# Altium PCB I2C_Jog_Controller.pcbdoc (part 8 of 9)
Units mil, origin at the board's own origin, x right, y up, seen from the top; angles counter-clockwise.
Board outline 3937.01 x 3937.01 mil, 2 copper layers (Top Layer, Bottom Layer), stack 65.398 mil thick; 211 components, 144 nets, 5702 pads, 342 vias.
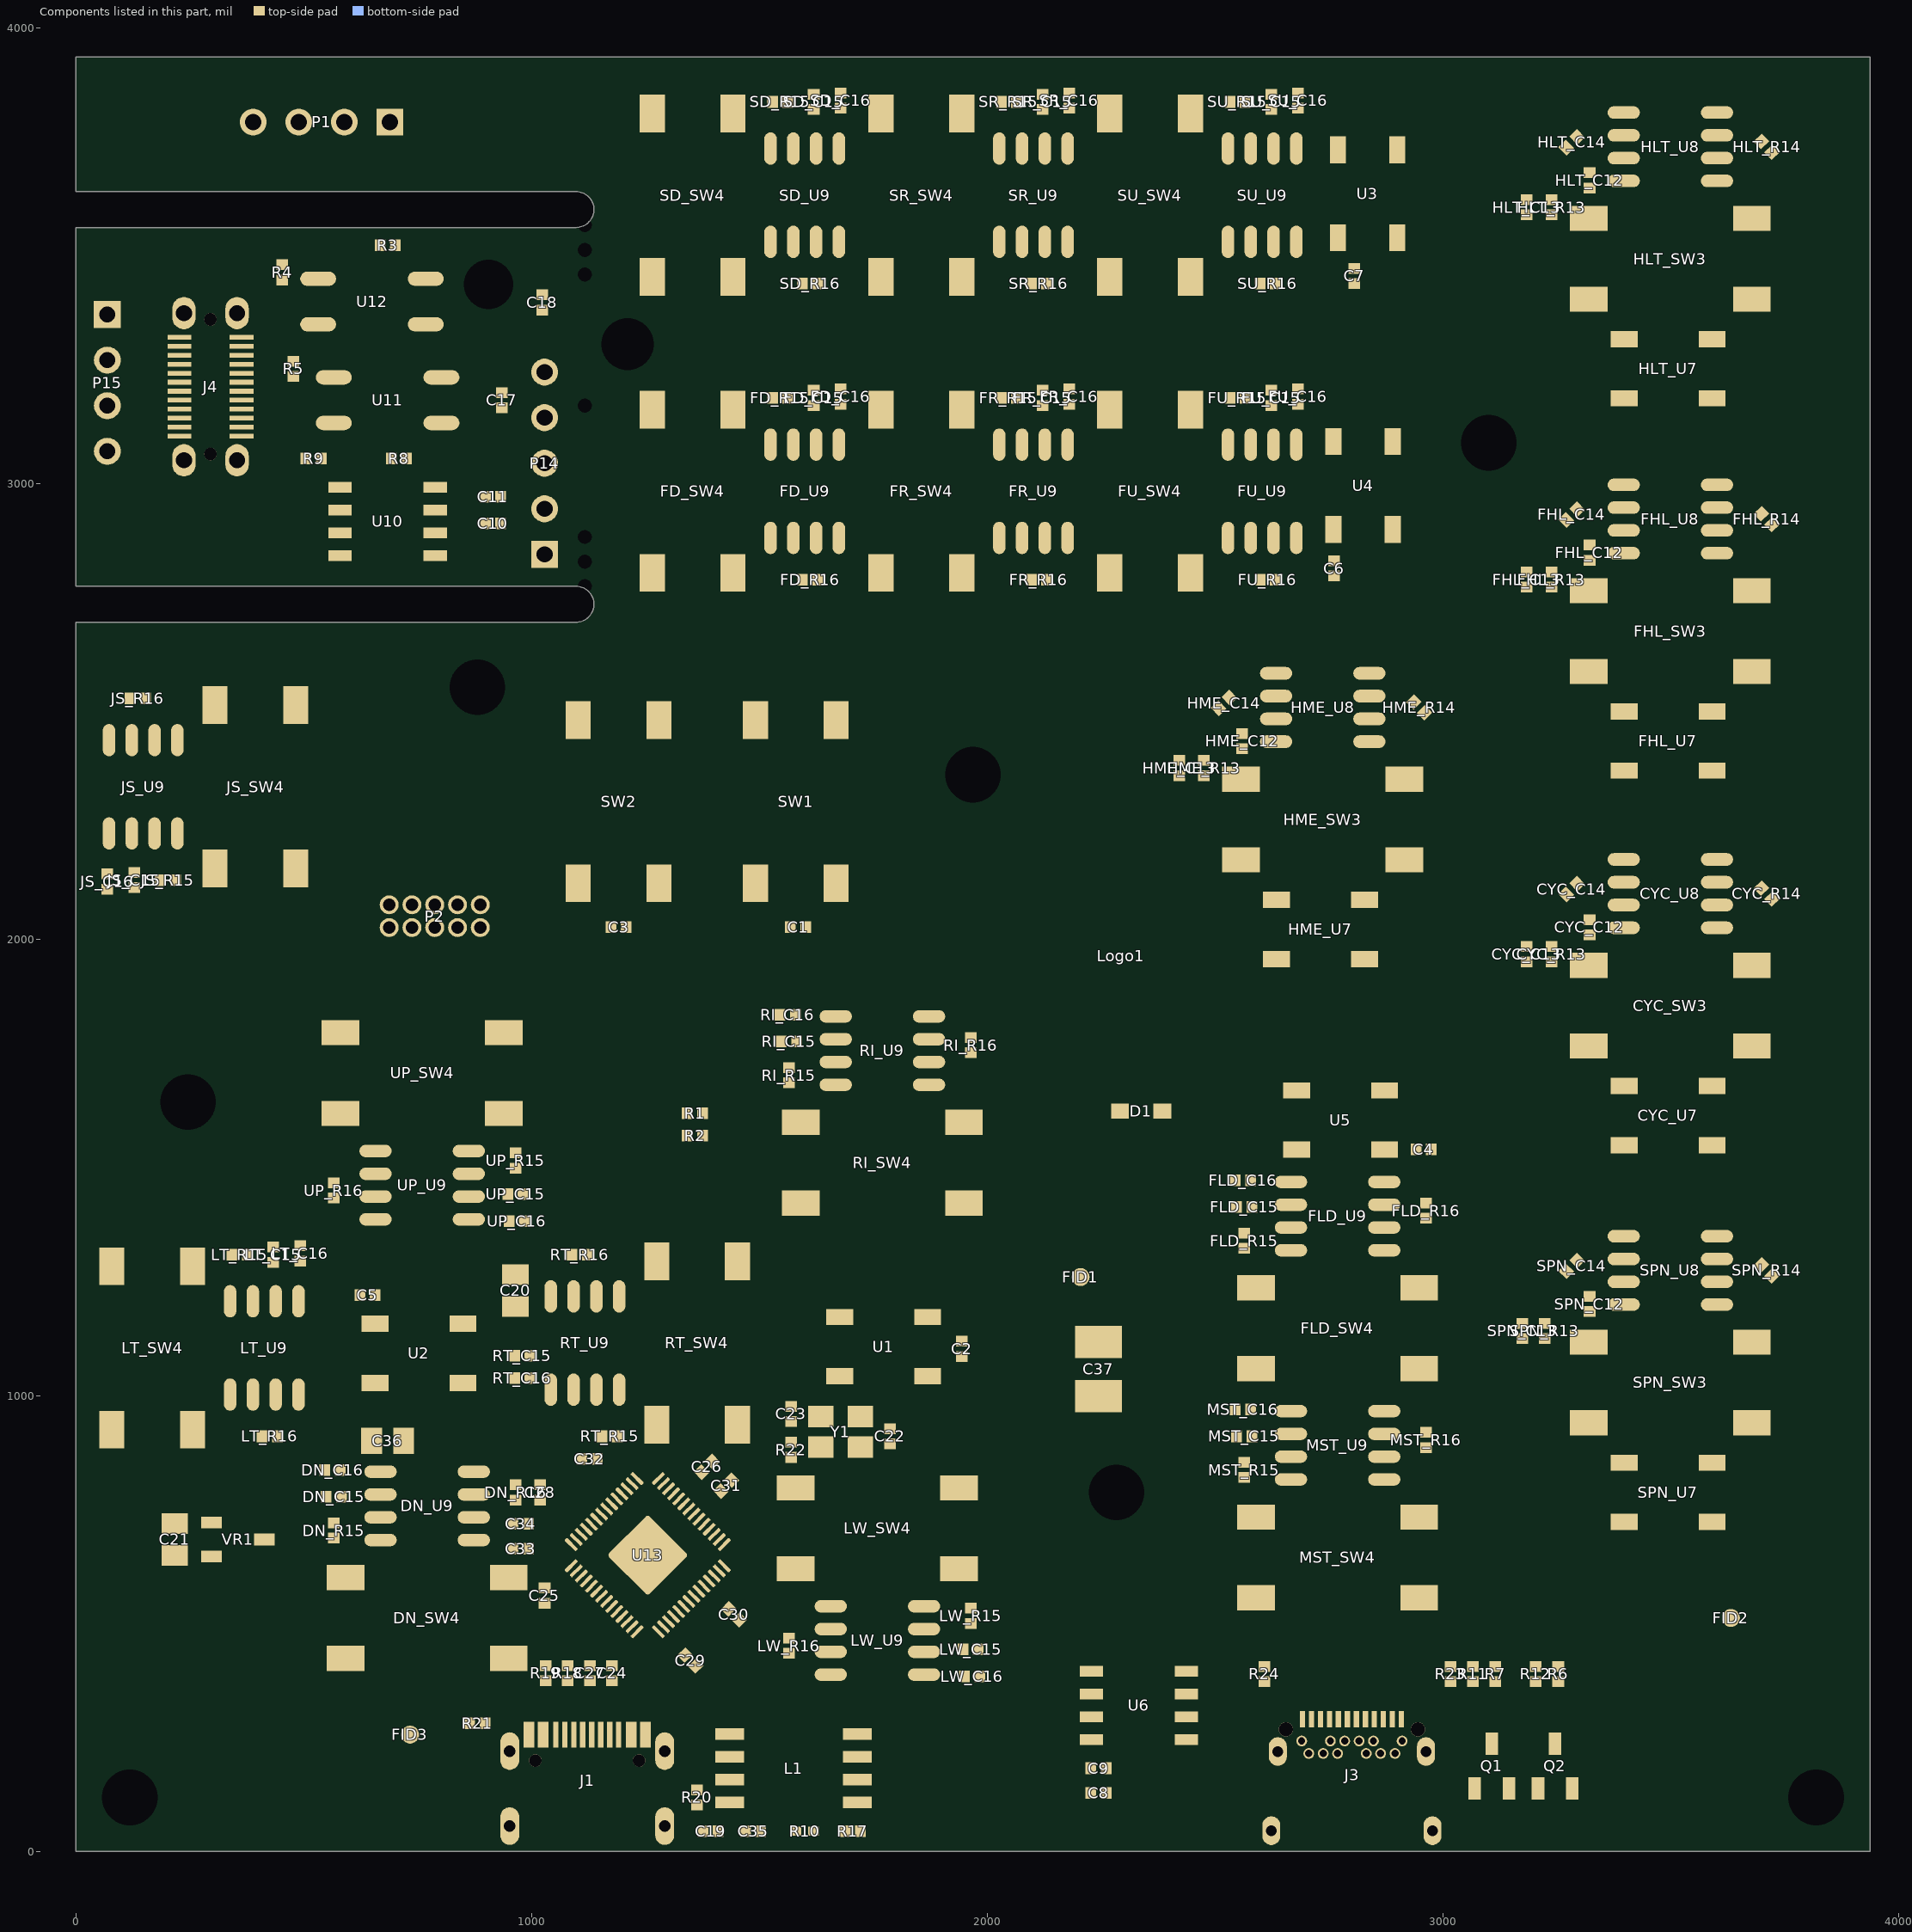
[diagram p8: the components of this part, seen from the top]

## Via types
v1: diameter 33.46, hole 19.68, Top Layer to Bottom Layer, tented both sides, 196 vias
v2: diameter 22, hole 10, Top Layer to Bottom Layer, tented both sides, 146 vias

## Nets (pads, with @x,y where several pads share a name; then routed paths per layer and width w, separated by ;. In a path a pad name is that pad's centre, name@x,y a point inside that pad or via, vN(x,y) a via of type N, cw(c..) or ccw(c..) an arc to the next point about the centre after c; other vN are vias at no path point) (continued)
pads on no net: FID1.1 FID2.1 FID3.1 J1. J1.A8 J1.B8 J3. J3.A5 J3.B5 J4. J4.A5 J4.B5 Logo1.1 Logo1.1_1 Logo1.1_2 Logo1.1_3 Logo1.1_4 Logo1.1_5 Logo1.1_6 Logo1.1_7 Logo1.1_8 Logo1.1_9 Logo1.1_10 Logo1.1_11 Logo1.1_12 Logo1.1_13 Logo1.1_14 Logo1.1_15 Logo1.1_16 Logo1.1_17 Logo1.1_18 Logo1.1_19 Logo1.1_20 Logo1.1_21 Logo1.1_22 Logo1.1_23 Logo1.1_24 Logo1.1_25 Logo1.1_26 Logo1.1_27 Logo1.1_28 Logo1.1_29 Logo1.1_30 Logo1.1_31 Logo1.1_32 Logo1.1_33 Logo1.1_34 Logo1.1_35 Logo1.1_36 Logo1.1_37 Logo1.1_38 Logo1.1_39 Logo1.1_40 Logo1.1_41 Logo1.1_42 Logo1.1_43 Logo1.1_44 Logo1.1_45 Logo1.1_46 Logo1.1_47 Logo1.1_48 Logo1.1_49 Logo1.1_50 Logo1.1_51 Logo1.1_52 Logo1.1_53 Logo1.1_54 Logo1.1_55 Logo1.1_56 Logo1.1_57 Logo1.1_58 Logo1.1_59 Logo1.1_60 Logo1.1_61 Logo1.1_62 Logo1.1_63 Logo1.1_64 Logo1.1_65 Logo1.1_66 Logo1.1_67 Logo1.1_68 Logo1.1_69 Logo1.1_70 Logo1.1_71 Logo1.1_72 Logo1.1_73 Logo1.1_74 Logo1.1_75 Logo1.1_76 Logo1.1_77 Logo1.1_78 Logo1.1_79 Logo1.1_80 Logo1.1_81 Logo1.1_82 Logo1.1_83 Logo1.1_84 Logo1.1_85 Logo1.1_86 Logo1.1_87 Logo1.1_88 Logo1.1_89 Logo1.1_90 Logo1.1_91 Logo1.1_92 Logo1.1_93 Logo1.1_94 Logo1.1_95 Logo1.1_96 Logo1.1_97 Logo1.1_98 Logo1.1_99 Logo1.1_100 Logo1.1_101 Logo1.1_102 Logo1.1_103 Logo1.1_104 Logo1.1_105 Logo1.1_106 Logo1.1_107 Logo1.1_108 Logo1.1_109 Logo1.1_110 Logo1.1_111 Logo1.1_112 Logo1.1_113 Logo1.1_114 Logo1.1_115 Logo1.1_116 Logo1.1_117 Logo1.1_118 Logo1.1_119 Logo1.1_120 Logo1.1_121 Logo1.1_122 Logo1.1_123 Logo1.1_124 Logo1.1_125 Logo1.1_126 Logo1.1_127 Logo1.1_128 Logo1.1_129 Logo1.1_130 Logo1.1_131 Logo1.1_132 Logo1.1_133 Logo1.1_134 Logo1.1_135 Logo1.1_136 Logo1.1_137 Logo1.1_138 Logo1.1_139 Logo1.1_140 Logo1.1_141 Logo1.1_142 Logo1.1_143 Logo1.1_144 Logo1.1_145 Logo1.1_146 Logo1.1_147 Logo1.1_148 Logo1.1_149 Logo1.1_150 Logo1.1_151 Logo1.1_152 Logo1.1_153 Logo1.1_154 Logo1.1_155 Logo1.1_156 Logo1.1_157 Logo1.1_158 Logo1.1_159 Logo1.1_160 Logo1.1_161 Logo1.1_162 Logo1.1_163 Logo1.1_164 Logo1.1_165 Logo1.1_166 Logo1.1_167 Logo1.1_168 Logo1.1_169 Logo1.1_170 Logo1.1_171 Logo1.1_172 Logo1.1_173 Logo1.1_174 Logo1.1_175 Logo1.1_176 Logo1.1_177 Logo1.1_178 Logo1.1_179 Logo1.1_180 Logo1.1_181 Logo1.1_182 Logo1.1_183 Logo1.1_184 Logo1.1_185 Logo1.1_186 Logo1.1_187 Logo1.1_188 Logo1.1_189 Logo1.1_190 Logo1.1_191 Logo1.1_192 Logo1.1_193 Logo1.1_194 Logo1.1_195 Logo1.1_196 Logo1.1_197 Logo1.1_198 Logo1.1_199 Logo1.1_200 Logo1.1_201 Logo1.1_202 Logo1.1_203 Logo1.1_204 Logo1.1_205 Logo1.1_206 Logo1.1_207 Logo1.1_208 Logo1.1_209 Logo1.1_210 Logo1.1_211 Logo1.1_212 Logo1.1_213 Logo1.1_214 Logo1.1_215 Logo1.1_216 Logo1.1_217 Logo1.1_218 Logo1.1_219 Logo1.1_220 Logo1.1_221 Logo1.1_222 Logo1.1_223 Logo1.1_224 Logo1.1_225 Logo1.1_226 Logo1.1_227 Logo1.1_228 Logo1.1_229 Logo1.1_230 Logo1.1_231 Logo1.1_232 Logo1.1_233 Logo1.1_234 Logo1.1_235 Logo1.1_236 Logo1.1_237 Logo1.1_238 Logo1.1_239 Logo1.1_240 Logo1.1_241 Logo1.1_242 Logo1.1_243 Logo1.1_244 Logo1.1_245 Logo1.1_246 Logo1.1_247 Logo1.1_248 Logo1.1_249 Logo1.1_250 Logo1.1_251 Logo1.1_252 Logo1.1_253 Logo1.1_254 Logo1.1_255 Logo1.1_256 Logo1.1_257 Logo1.1_258 Logo1.1_259 Logo1.1_260 Logo1.1_261 Logo1.1_262 Logo1.1_263 Logo1.1_264 Logo1.1_265 Logo1.1_266 Logo1.1_267 Logo1.1_268 Logo1.1_269 Logo1.1_270 Logo1.1_271 Logo1.1_272 Logo1.1_273 Logo1.1_274 Logo1.1_275 Logo1.1_276 Logo1.1_277 Logo1.1_278 Logo1.1_279 Logo1.1_280 Logo1.1_281 Logo1.1_282 Logo1.1_283 Logo1.1_284 Logo1.1_285 Logo1.1_286 Logo1.1_287 Logo1.1_288 Logo1.1_289 Logo1.1_290 Logo1.1_291 Logo1.1_292 Logo1.1_293 Logo1.1_294 Logo1.1_295 Logo1.1_296 Logo1.1_297 Logo1.1_298 Logo1.1_299 Logo1.1_300 Logo1.1_301 Logo1.1_302 Logo1.1_303 Logo1.1_304 Logo1.1_305 Logo1.1_306 Logo1.1_307 Logo1.1_308 Logo1.1_309 Logo1.1_310 Logo1.1_311 Logo1.1_312 Logo1.1_313 Logo1.1_314 Logo1.1_315 Logo1.1_316 Logo1.1_317 Logo1.1_318 Logo1.1_319 Logo1.1_320 Logo1.1_321 Logo1.1_322 Logo1.1_323 Logo1.1_324 Logo1.1_325 Logo1.1_326 Logo1.1_327 Logo1.1_328 Logo1.1_329 Logo1.1_330 Logo1.1_331 Logo1.1_332 Logo1.1_333 Logo1.1_334 Logo1.1_335 Logo1.1_336 Logo1.1_337 Logo1.1_338 Logo1.1_339 Logo1.1_340 Logo1.1_341 Logo1.1_342 Logo1.1_343 Logo1.1_344 Logo1.1_345 Logo1.1_346 Logo1.1_347 Logo1.1_348 Logo1.1_349 Logo1.1_350 Logo1.1_351 Logo1.1_352 Logo1.1_353 Logo1.1_354 Logo1.1_355 Logo1.1_356 Logo1.1_357 Logo1.1_358 Logo1.1_359 Logo1.1_360 Logo1.1_361 Logo1.1_362 Logo1.1_363 Logo1.1_364 Logo1.1_365 Logo1.1_366 Logo1.1_367 Logo1.1_368 Logo1.1_369 Logo1.1_370 Logo1.1_371 Logo1.1_372 Logo1.1_373 Logo1.1_374 Logo1.1_375 Logo1.1_376 Logo1.1_377 Logo1.1_378 Logo1.1_379 Logo1.1_380 Logo1.1_381 Logo1.1_382 Logo1.1_383 Logo1.1_384 Logo1.1_385 Logo1.1_386 Logo1.1_387 Logo1.1_388 Logo1.1_389 Logo1.1_390 Logo1.1_391 Logo1.1_392 Logo1.1_393 Logo1.1_394 Logo1.1_395 Logo1.1_396 Logo1.1_397 Logo1.1_398 Logo1.1_399 Logo1.1_400 Logo1.1_401 Logo1.1_402 Logo1.1_403 Logo1.1_404 Logo1.1_405 Logo1.1_406 Logo1.1_407 Logo1.1_408 Logo1.1_409 Logo1.1_410 Logo1.1_411 Logo1.1_412 Logo1.1_413 Logo1.1_414 Logo1.1_415 Logo1.1_416 Logo1.1_417 Logo1.1_418 Logo1.1_419 Logo1.1_420 Logo1.1_421 Logo1.1_422 Logo1.1_423 Logo1.1_424 Logo1.1_425 Logo1.1_426 Logo1.1_427 Logo1.1_428 Logo1.1_429 Logo1.1_430 Logo1.1_431 Logo1.1_432 Logo1.1_433 Logo1.1_434 Logo1.1_435 Logo1.1_436 Logo1.1_437 Logo1.1_438 Logo1.1_439 Logo1.1_440 Logo1.1_441 Logo1.1_442 Logo1.1_443 Logo1.1_444 Logo1.1_445 Logo1.1_446 Logo1.1_447 Logo1.1_448 Logo1.1_449 Logo1.1_450 Logo1.1_451 Logo1.1_452 Logo1.1_453 Logo1.1_454 Logo1.1_455 Logo1.1_456 Logo1.1_457 Logo1.1_458 Logo1.1_459 Logo1.1_460 Logo1.1_461 Logo1.1_462 Logo1.1_463 Logo1.1_464 Logo1.1_465 Logo1.1_466 Logo1.1_467 Logo1.1_468 Logo1.1_469 Logo1.1_470 Logo1.1_471 Logo1.1_472 Logo1.1_473 Logo1.1_474 Logo1.1_475 Logo1.1_476 Logo1.1_477 Logo1.1_478 Logo1.1_479 Logo1.1_480 Logo1.1_481 Logo1.1_482 Logo1.1_483 Logo1.1_484 Logo1.1_485 Logo1.1_486 Logo1.1_487 Logo1.1_488 Logo1.1_489 Logo1.1_490 Logo1.1_491 Logo1.1_492 Logo1.1_493 Logo1.1_494 Logo1.1_495 Logo1.1_496 Logo1.1_497 Logo1.1_498 Logo1.1_499 Logo1.1_500 Logo1.1_501 Logo1.1_502 Logo1.1_503 Logo1.1_504 Logo1.1_505 Logo1.1_506 Logo1.1_507 Logo1.1_508 Logo1.1_509 Logo1.1_510 Logo1.1_511 Logo1.1_512 Logo1.1_513 Logo1.1_514 Logo1.1_515 Logo1.1_516 Logo1.1_517 Logo1.1_518 Logo1.1_519 Logo1.1_520 Logo1.1_521 Logo1.1_522 Logo1.1_523 Logo1.1_524 Logo1.1_525 Logo1.1_526 Logo1.1_527 Logo1.1_528 Logo1.1_529 Logo1.1_530 Logo1.1_531 Logo1.1_532 Logo1.1_533 Logo1.1_534 Logo1.1_535 Logo1.1_536 Logo1.1_537 Logo1.1_538 Logo1.1_539 Logo1.1_540 Logo1.1_541 Logo1.1_542 Logo1.1_543 Logo1.1_544 Logo1.1_545 Logo1.1_546 Logo1.1_547 Logo1.1_548 Logo1.1_549 Logo1.1_550 Logo1.1_551 Logo1.1_552 Logo1.1_553 Logo1.1_554 Logo1.1_555 Logo1.1_556 Logo1.1_557 Logo1.1_558 Logo1.1_559 Logo1.1_560 Logo1.1_561 Logo1.1_562 Logo1.1_563 Logo1.1_564 Logo1.1_565 Logo1.1_566 Logo1.1_567 Logo1.1_568 Logo1.1_569 Logo1.1_570 Logo1.1_571 Logo1.1_572 Logo1.1_573 Logo1.1_574 Logo1.1_575 Logo1.1_576 Logo1.1_577 Logo1.1_578 Logo1.1_579 Logo1.1_580 Logo1.1_581 Logo1.1_582 Logo1.1_583 Logo1.1_584 Logo1.1_585 Logo1.1_586 Logo1.1_587 Logo1.1_588 Logo1.1_589 Logo1.1_590 Logo1.1_591 Logo1.1_592 Logo1.1_593 Logo1.1_594 Logo1.1_595 Logo1.1_596 Logo1.1_597 Logo1.1_598 Logo1.1_599 Logo1.1_600 Logo1.1_601 Logo1.1_602 Logo1.1_603 Logo1.1_604 Logo1.1_605 Logo1.1_606 Logo1.1_607 Logo1.1_608 Logo1.1_609 Logo1.1_610 Logo1.1_611 Logo1.1_612 Logo1.1_613 Logo1.1_614 Logo1.1_615 Logo1.1_616 Logo1.1_617 Logo1.1_618 Logo1.1_619 Logo1.1_620 Logo1.1_621 Logo1.1_622 Logo1.1_623 Logo1.1_624 Logo1.1_625 Logo1.1_626 Logo1.1_627 Logo1.1_628 Logo1.1_629 Logo1.1_630 Logo1.1_631 Logo1.1_632 Logo1.1_633 Logo1.1_634 Logo1.1_635 Logo1.1_636 Logo1.1_637 Logo1.1_638 Logo1.1_639 Logo1.1_640 Logo1.1_641 Logo1.1_642 Logo1.1_643 Logo1.1_644 Logo1.1_645 Logo1.1_646 Logo1.1_647 Logo1.1_648 Logo1.1_649 Logo1.1_650 Logo1.1_651 Logo1.1_652 Logo1.1_653 Logo1.1_654 Logo1.1_655 Logo1.1_656 Logo1.1_657 Logo1.1_658 Logo1.1_659 Logo1.1_660 Logo1.1_661 Logo1.1_662 Logo1.1_663 Logo1.1_664 Logo1.1_665 Logo1.1_666 Logo1.1_667 Logo1.1_668 Logo1.1_669 Logo1.1_670 Logo1.1_671 Logo1.1_672 Logo1.1_673 Logo1.1_674 Logo1.1_675 Logo1.1_676 Logo1.1_677 Logo1.1_678 Logo1.1_679 Logo1.1_680 Logo1.1_681 Logo1.1_682 Logo1.1_683 Logo1.1_684 Logo1.1_685 Logo1.1_686 Logo1.1_687 Logo1.1_688 Logo1.1_689 Logo1.1_690 Logo1.1_691 Logo1.1_692 Logo1.1_693 Logo1.1_694 Logo1.1_695 Logo1.1_696 Logo1.1_697 Logo1.1_698 Logo1.1_699 Logo1.1_700 Logo1.1_701 Logo1.1_702 Logo1.1_703 Logo1.1_704 Logo1.1_705 Logo1.1_706 Logo1.1_707 Logo1.1_708 Logo1.1_709 Logo1.1_710 Logo1.1_711 Logo1.1_712 Logo1.1_713 Logo1.1_714 Logo1.1_715 Logo1.1_716 Logo1.1_717 Logo1.1_718 Logo1.1_719 Logo1.1_720 Logo1.1_721 Logo1.1_722 Logo1.1_723 Logo1.1_724 Logo1.1_725 Logo1.1_726 Logo1.1_727 Logo1.1_728 Logo1.1_729 Logo1.1_730 Logo1.1_731 Logo1.1_732 Logo1.1_733 Logo1.1_734 Logo1.1_735 Logo1.1_736 Logo1.1_737 Logo1.1_738 Logo1.1_739 Logo1.1_740 Logo1.1_741 Logo1.1_742 Logo1.1_743 Logo1.1_744 Logo1.1_745 Logo1.1_746 Logo1.1_747 Logo1.1_748 Logo1.1_749 Logo1.1_750 Logo1.1_751 Logo1.1_752 Logo1.1_753 Logo1.1_754 Logo1.1_755 Logo1.1_756 Logo1.1_757 Logo1.1_758 Logo1.1_759 Logo1.1_760 Logo1.1_761 Logo1.1_762 Logo1.1_763 Logo1.1_764 Logo1.1_765 Logo1.1_766 Logo1.1_767 Logo1.1_768 Logo1.1_769 Logo1.1_770 Logo1.1_771 Logo1.1_772 Logo1.1_773 Logo1.1_774 Logo1.1_775 Logo1.1_776 Logo1.1_777 Logo1.1_778 Logo1.1_779 Logo1.1_780 Logo1.1_781 Logo1.1_782 Logo1.1_783 Logo1.1_784 Logo1.1_785 Logo1.1_786 Logo1.1_787 Logo1.1_788 Logo1.1_789 Logo1.1_790 Logo1.1_791 Logo1.1_792 Logo1.1_793 Logo1.1_794 Logo1.1_795 Logo1.1_796 Logo1.1_797 Logo1.1_798 Logo1.1_799 Logo1.1_800 Logo1.1_801 Logo1.1_802 Logo1.1_803 Logo1.1_804 Logo1.1_805 Logo1.1_806 Logo1.1_807 Logo1.1_808 Logo1.1_809 Logo1.1_810 Logo1.1_811 Logo1.1_812 Logo1.1_813 Logo1.1_814 Logo1.1_815 Logo1.1_816 Logo1.1_817 Logo1.1_818 Logo1.1_819 Logo1.1_820 Logo1.1_821 Logo1.1_822 Logo1.1_823 Logo1.1_824 Logo1.1_825 Logo1.1_826 Logo1.1_827 Logo1.1_828 Logo1.1_829 Logo1.1_830 Logo1.1_831 Logo1.1_832 Logo1.1_833 Logo1.1_834 Logo1.1_835 Logo1.1_836 Logo1.1_837 Logo1.1_838 Logo1.1_839 Logo1.1_840 Logo1.1_841 Logo1.1_842 Logo1.1_843 Logo1.1_844 Logo1.1_845 Logo1.1_846 Logo1.1_847 Logo1.1_848 Logo1.1_849 Logo1.1_850 Logo1.1_851 Logo1.1_852 Logo1.1_853 Logo1.1_854 Logo1.1_855 Logo1.1_856 Logo1.1_857 Logo1.1_858 Logo1.1_859 Logo1.1_860 Logo1.1_861 Logo1.1_862 Logo1.1_863 Logo1.1_864 Logo1.1_865 Logo1.1_866 Logo1.1_867 Logo1.1_868 Logo1.1_869 Logo1.1_870 Logo1.1_871 Logo1.1_872 Logo1.1_873 Logo1.1_874 Logo1.1_875 Logo1.1_876 Logo1.1_877 Logo1.1_878 Logo1.1_879 Logo1.1_880 Logo1.1_881 Logo1.1_882 Logo1.1_883 Logo1.1_884 Logo1.1_885 Logo1.1_886 Logo1.1_887 Logo1.1_888 Logo1.1_889 Logo1.1_890 Logo1.1_891 Logo1.1_892 Logo1.1_893 Logo1.1_894 Logo1.1_895 Logo1.1_896 Logo1.1_897 Logo1.1_898 Logo1.1_899 Logo1.1_900 Logo1.1_901 Logo1.1_902 Logo1.1_903 Logo1.1_904 Logo1.1_905 Logo1.1_906 Logo1.1_907 Logo1.1_908 Logo1.1_909 Logo1.1_910 Logo1.1_911 Logo1.1_912 Logo1.1_913 Logo1.1_914 Logo1.1_915 Logo1.1_916 Logo1.1_917 Logo1.1_918 Logo1.1_919 Logo1.1_920 Logo1.1_921 Logo1.1_922 Logo1.1_923 Logo1.1_924 Logo1.1_925 Logo1.1_926 Logo1.1_927 Logo1.1_928 Logo1.1_929 Logo1.1_930 Logo1.1_931 Logo1.1_932 Logo1.1_933 Logo1.1_934 Logo1.1_935 Logo1.1_936 Logo1.1_937 Logo1.1_938 Logo1.1_939 Logo1.1_940 Logo1.1_941 Logo1.1_942 Logo1.1_943 Logo1.1_944 Logo1.1_945 Logo1.1_946 Logo1.1_947 Logo1.1_948 Logo1.1_949 Logo1.1_950 Logo1.1_951 Logo1.1_952 Logo1.1_953 Logo1.1_954 Logo1.1_955 Logo1.1_956 Logo1.1_957 Logo1.1_958 Logo1.1_959 Logo1.1_960 Logo1.1_961 Logo1.1_962 Logo1.1_963 Logo1.1_964 Logo1.1_965 Logo1.1_966 Logo1.1_967 Logo1.1_968 Logo1.1_969 Logo1.1_970 Logo1.1_971 Logo1.1_972 Logo1.1_973 Logo1.1_974 Logo1.1_975 Logo1.1_976 Logo1.1_977 Logo1.1_978 Logo1.1_979 Logo1.1_980 Logo1.1_981 Logo1.1_982 Logo1.1_983 Logo1.1_984 Logo1.1_985 Logo1.1_986 Logo1.1_987 Logo1.1_988 Logo1.1_989 Logo1.1_990 Logo1.1_991 Logo1.1_992 Logo1.1_993 Logo1.1_994 Logo1.1_995 Logo1.1_996 Logo1.1_997 Logo1.1_998 Logo1.1_999 Logo1.1_1000 Logo1.1_1001 Logo1.1_1002 Logo1.1_1003 Logo1.1_1004 Logo1.1_1005 Logo1.1_1006 Logo1.1_1007 Logo1.1_1008 Logo1.1_1009 Logo1.1_1010 Logo1.1_1011 Logo1.1_1012 Logo1.1_1013 Logo1.1_1014 Logo1.1_1015 Logo1.1_1016 Logo1.1_1017 Logo1.1_1018 Logo1.1_1019 Logo1.1_1020 Logo1.1_1021 Logo1.1_1022 Logo1.1_1023 Logo1.1_1024 Logo1.1_1025 Logo1.1_1026 Logo1.1_1027 Logo1.1_1028 Logo1.1_1029 Logo1.1_1030 Logo1.1_1031 Logo1.1_1032 Logo1.1_1033 Logo1.1_1034 Logo1.1_1035 Logo1.1_1036 Logo1.1_1037 Logo1.1_1038 Logo1.1_1039 Logo1.1_1040 Logo1.1_1041 Logo1.1_1042 Logo1.1_1043 Logo1.1_1044 Logo1.1_1045 Logo1.1_1046 Logo1.1_1047 Logo1.1_1048 Logo1.1_1049 Logo1.1_1050 Logo1.1_1051 Logo1.1_1052 Logo1.1_1053 Logo1.1_1054 Logo1.1_1055 Logo1.1_1056 Logo1.1_1057 Logo1.1_1058 Logo1.1_1059 Logo1.1_1060 Logo1.1_1061 Logo1.1_1062 Logo1.1_1063 Logo1.1_1064 Logo1.1_1065 Logo1.1_1066 Logo1.1_1067 Logo1.1_1068 Logo1.1_1069 Logo1.1_1070 Logo1.1_1071 Logo1.1_1072 Logo1.1_1073 Logo1.1_1074 Logo1.1_1075 Logo1.1_1076 Logo1.1_1077 Logo1.1_1078 Logo1.1_1079 Logo1.1_1080 Logo1.1_1081 Logo1.1_1082 Logo1.1_1083 Logo1.1_1084 Logo1.1_1085 Logo1.1_1086 Logo1.1_1087 Logo1.1_1088 Logo1.1_1089 Logo1.1_1090 Logo1.1_1091 Logo1.1_1092 Logo1.1_1093 Logo1.1_1094 Logo1.1_1095 Logo1.1_1096 Logo1.1_1097 Logo1.1_1098 Logo1.1_1099 Logo1.1_1100 Logo1.1_1101 Logo1.1_1102 Logo1.1_1103 Logo1.1_1104 Logo1.1_1105 Logo1.1_1106 Logo1.1_1107 Logo1.1_1108 Logo1.1_1109 Logo1.1_1110 Logo1.1_1111 Logo1.1_1112 Logo1.1_1113 Logo1.1_1114 Logo1.1_1115 Logo1.1_1116 Logo1.1_1117 Logo1.1_1118 Logo1.1_1119 Logo1.1_1120 Logo1.1_1121 Logo1.1_1122 Logo1.1_1123 Logo1.1_1124 Logo1.1_1125 Logo1.1_1126 Logo1.1_1127 Logo1.1_1128 Logo1.1_1129 Logo1.1_1130 Logo1.1_1131 Logo1.1_1132 Logo1.1_1133 Logo1.1_1134 Logo1.1_1135 Logo1.1_1136 Logo1.1_1137 Logo1.1_1138 Logo1.1_1139 Logo1.1_1140 Logo1.1_1141 Logo1.1_1142 Logo1.1_1143 Logo1.1_1144 Logo1.1_1145 Logo1.1_1146 Logo1.1_1147 Logo1.1_1148 Logo1.1_1149 Logo1.1_1150 Logo1.1_1151 Logo1.1_1152 Logo1.1_1153 Logo1.1_1154 Logo1.1_1155 Logo1.1_1156 Logo1.1_1157 Logo1.1_1158 Logo1.1_1159 Logo1.1_1160 Logo1.1_1161 Logo1.1_1162 Logo1.1_1163 Logo1.1_1164 Logo1.1_1165 Logo1.1_1166 Logo1.1_1167 Logo1.1_1168 Logo1.1_1169 Logo1.1_1170 Logo1.1_1171 Logo1.1_1172 Logo1.1_1173 Logo1.1_1174 Logo1.1_1175 Logo1.1_1176 Logo1.1_1177 Logo1.1_1178 Logo1.1_1179 Logo1.1_1180 Logo1.1_1181 Logo1.1_1182 Logo1.1_1183 Logo1.1_1184 Logo1.1_1185 Logo1.1_1186 Logo1.1_1187 Logo1.1_1188 Logo1.1_1189 Logo1.1_1190 Logo1.1_1191 Logo1.1_1192 Logo1.1_1193 Logo1.1_1194 Logo1.1_1195 Logo1.1_1196 Logo1.1_1197 Logo1.1_1198 Logo1.1_1199 Logo1.1_1200 Logo1.1_1201 Logo1.1_1202 Logo1.1_1203 Logo1.1_1204 Logo1.1_1205 Logo1.1_1206 Logo1.1_1207 Logo1.1_1208 Logo1.1_1209 Logo1.1_1210 Logo1.1_1211 Logo1.1_1212 Logo1.1_1213 Logo1.1_1214 Logo1.1_1215 Logo1.1_1216 Logo1.1_1217 Logo1.1_1218 Logo1.1_1219 Logo1.1_1220 Logo1.1_1221 Logo1.1_1222 Logo1.1_1223 Logo1.1_1224 Logo1.1_1225 Logo1.1_1226 Logo1.1_1227 Logo1.1_1228 Logo1.1_1229 Logo1.1_1230 Logo1.1_1231 Logo1.1_1232 Logo1.1_1233 Logo1.1_1234 Logo1.1_1235 Logo1.1_1236 Logo1.1_1237 Logo1.1_1238 Logo1.1_1239 Logo1.1_1240 Logo1.1_1241 Logo1.1_1242 Logo1.1_1243 Logo1.1_1244 Logo1.1_1245 Logo1.1_1246 Logo1.1_1247 Logo1.1_1248 Logo1.1_1249 Logo1.1_1250 Logo1.1_1251 Logo1.1_1252 Logo1.1_1253 Logo1.1_1254 Logo1.1_1255 Logo1.1_1256 Logo1.1_1257 Logo1.1_1258 Logo1.1_1259 Logo1.1_1260 Logo1.1_1261 Logo1.1_1262 Logo1.1_1263 Logo1.1_1264 Logo1.1_1265 Logo1.1_1266 Logo1.1_1267 Logo1.1_1268 Logo1.1_1269 Logo1.1_1270 Logo1.1_1271 Logo1.1_1272 Logo1.1_1273 Logo1.1_1274 Logo1.1_1275 Logo1.1_1276 Logo1.1_1277 Logo1.1_1278 Logo1.1_1279 Logo1.1_1280 Logo1.1_1281 Logo1.1_1282 Logo1.1_1283 Logo1.1_1284 Logo1.1_1285 Logo1.1_1286 Logo1.1_1287 Logo1.1_1288 Logo1.1_1289 Logo1.1_1290 Logo1.1_1291 Logo1.1_1292 Logo1.1_1293 Logo1.1_1294 Logo1.1_1295 Logo1.1_1296 Logo1.1_1297 Logo1.1_1298 Logo1.1_1299 Logo1.1_1300 Logo1.1_1301 Logo1.1_1302 Logo1.1_1303 Logo1.1_1304 Logo1.1_1305 Logo1.1_1306 Logo1.1_1307 Logo1.1_1308 Logo1.1_1309 Logo1.1_1310 Logo1.1_1311 Logo1.1_1312 Logo1.1_1313 Logo1.1_1314 Logo1.1_1315 Logo1.1_1316 Logo1.1_1317 Logo1.1_1318 Logo1.1_1319 Logo1.1_1320 Logo1.1_1321 Logo1.1_1322 Logo1.1_1323 Logo1.1_1324 Logo1.1_1325 Logo1.1_1326 Logo1.1_1327 Logo1.1_1328 Logo1.1_1329 Logo1.1_1330 Logo1.1_1331 Logo1.1_1332 Logo1.1_1333 Logo1.1_1334 Logo1.1_1335 Logo1.1_1336 Logo1.1_1337 Logo1.1_1338 Logo1.1_1339 Logo1.1_1340 Logo1.1_1341 Logo1.1_1342 Logo1.1_1343 Logo1.1_1344 Logo1.1_1345 Logo1.1_1346 Logo1.1_1347 Logo1.1_1348 Logo1.1_1349 Logo1.1_1350 Logo1.1_1351 Logo1.1_1352 Logo1.1_1353 Logo1.1_1354 Logo1.1_1355 Logo1.1_1356 Logo1.1_1357 Logo1.1_1358 Logo1.1_1359 Logo1.1_1360 Logo1.1_1361 Logo1.1_1362 Logo1.1_1363 Logo1.1_1364 Logo1.1_1365 Logo1.1_1366 Logo1.1_1367 Logo1.1_1368 Logo1.1_1369 Logo1.1_1370 Logo1.1_1371 Logo1.1_1372 Logo1.1_1373 Logo1.1_1374 Logo1.1_1375 Logo1.1_1376 Logo1.1_1377 Logo1.1_1378 Logo1.1_1379 Logo1.1_1380 Logo1.1_1381 Logo1.1_1382 Logo1.1_1383 Logo1.1_1384 Logo1.1_1385 Logo1.1_1386 Logo1.1_1387 Logo1.1_1388 Logo1.1_1389 Logo1.1_1390 Logo1.1_1391 Logo1.1_1392 Logo1.1_1393 Logo1.1_1394 Logo1.1_1395 Logo1.1_1396 Logo1.1_1397 Logo1.1_1398 Logo1.1_1399 Logo1.1_1400 Logo1.1_1401 Logo1.1_1402 Logo1.1_1403 Logo1.1_1404 Logo1.1_1405 Logo1.1_1406 Logo1.1_1407 Logo1.1_1408 Logo1.1_1409 Logo1.1_1410 Logo1.1_1411 Logo1.1_1412 Logo1.1_1413 Logo1.1_1414 Logo1.1_1415 Logo1.1_1416 Logo1.1_1417 Logo1.1_1418 Logo1.1_1419 Logo1.1_1420 Logo1.1_1421 Logo1.1_1422 Logo1.1_1423 Logo1.1_1424 Logo1.1_1425 Logo1.1_1426 Logo1.1_1427 Logo1.1_1428 Logo1.1_1429 Logo1.1_1430 Logo1.1_1431 Logo1.1_1432 Logo1.1_1433 Logo1.1_1434 Logo1.1_1435 Logo1.1_1436 Logo1.1_1437 Logo1.1_1438 Logo1.1_1439 Logo1.1_1440 Logo1.1_1441 Logo1.1_1442 Logo1.1_1443 Logo1.1_1444 Logo1.1_1445 Logo1.1_1446 Logo1.1_1447 Logo1.1_1448 Logo1.1_1449 Logo1.1_1450 Logo1.1_1451 Logo1.1_1452 Logo1.1_1453 Logo1.1_1454 Logo1.1_1455 Logo1.1_1456 Logo1.1_1457 Logo1.1_1458 Logo1.1_1459 Logo1.1_1460 Logo1.1_1461 Logo1.1_1462 Logo1.1_1463 Logo1.1_1464 Logo1.1_1465 Logo1.1_1466 Logo1.1_1467 Logo1.1_1468 Logo1.1_1469 Logo1.1_1470 Logo1.1_1471 Logo1.1_1472 Logo1.1_1473 Logo1.1_1474 Logo1.1_1475 Logo1.1_1476 Logo1.1_1477 Logo1.1_1478 Logo1.1_1479 Logo1.1_1480 Logo1.1_1481 Logo1.1_1482 Logo1.1_1483 Logo1.1_1484 Logo1.1_1485 Logo1.1_1486 Logo1.1_1487 Logo1.1_1488 Logo1.1_1489 Logo1.1_1490 Logo1.1_1491 Logo1.1_1492 Logo1.1_1493 Logo1.1_1494 Logo1.1_1495 Logo1.1_1496 Logo1.1_1497 Logo1.1_1498 Logo1.1_1499 Logo1.1_1500 Logo1.1_1501 Logo1.1_1502 Logo1.1_1503 Logo1.1_1504 Logo1.1_1505 Logo1.1_1506 Logo1.1_1507 Logo1.1_1508 Logo1.1_1509 Logo1.1_1510 Logo1.1_1511 Logo1.1_1512 Logo1.1_1513 Logo1.1_1514 Logo1.1_1515 Logo1.1_1516 Logo1.1_1517 Logo1.1_1518 Logo1.1_1519 Logo1.1_1520 Logo1.1_1521 Logo1.1_1522 Logo1.1_1523 Logo1.1_1524 Logo1.1_1525 Logo1.1_1526 Logo1.1_1527 Logo1.1_1528 Logo1.1_1529 Logo1.1_1530 Logo1.1_1531 Logo1.1_1532 Logo1.1_1533 Logo1.1_1534 Logo1.1_1535 Logo1.1_1536 Logo1.1_1537 Logo1.1_1538 Logo1.1_1539 Logo1.1_1540 Logo1.1_1541 Logo1.1_1542 Logo1.1_1543 Logo1.1_1544 Logo1.1_1545 Logo1.1_1546 Logo1.1_1547 Logo1.1_1548 Logo1.1_1549 Logo1.1_1550 Logo1.1_1551 Logo1.1_1552 Logo1.1_1553 Logo1.1_1554 Logo1.1_1555 Logo1.1_1556 Logo1.1_1557 Logo1.1_1558 Logo1.1_1559 Logo1.1_1560 Logo1.1_1561 Logo1.1_1562 Logo1.1_1563 Logo1.1_1564 Logo1.1_1565 Logo1.1_1566 Logo1.1_1567 Logo1.1_1568 Logo1.1_1569 Logo1.1_1570 Logo1.1_1571 Logo1.1_1572 Logo1.1_1573 Logo1.1_1574 Logo1.1_1575 Logo1.1_1576 Logo1.1_1577 Logo1.1_1578 Logo1.1_1579 Logo1.1_1580 Logo1.1_1581 Logo1.1_1582 Logo1.1_1583 Logo1.1_1584 Logo1.1_1585 Logo1.1_1586 Logo1.1_1587 Logo1.1_1588 Logo1.1_1589 Logo1.1_1590 Logo1.1_1591 Logo1.1_1592 Logo1.1_1593 Logo1.1_1594 Logo1.1_1595 Logo1.1_1596 Logo1.1_1597 Logo1.1_1598 Logo1.1_1599 Logo1.1_1600 Logo1.1_1601 Logo1.1_1602 Logo1.1_1603 Logo1.1_1604 Logo1.1_1605 Logo1.1_1606 Logo1.1_1607 Logo1.1_1608 Logo1.1_1609 Logo1.1_1610 Logo1.1_1611 Logo1.1_1612 Logo1.1_1613 Logo1.1_1614 Logo1.1_1615 Logo1.1_1616 Logo1.1_1617 